# KiCad board driver.kicad_pcb (continued)
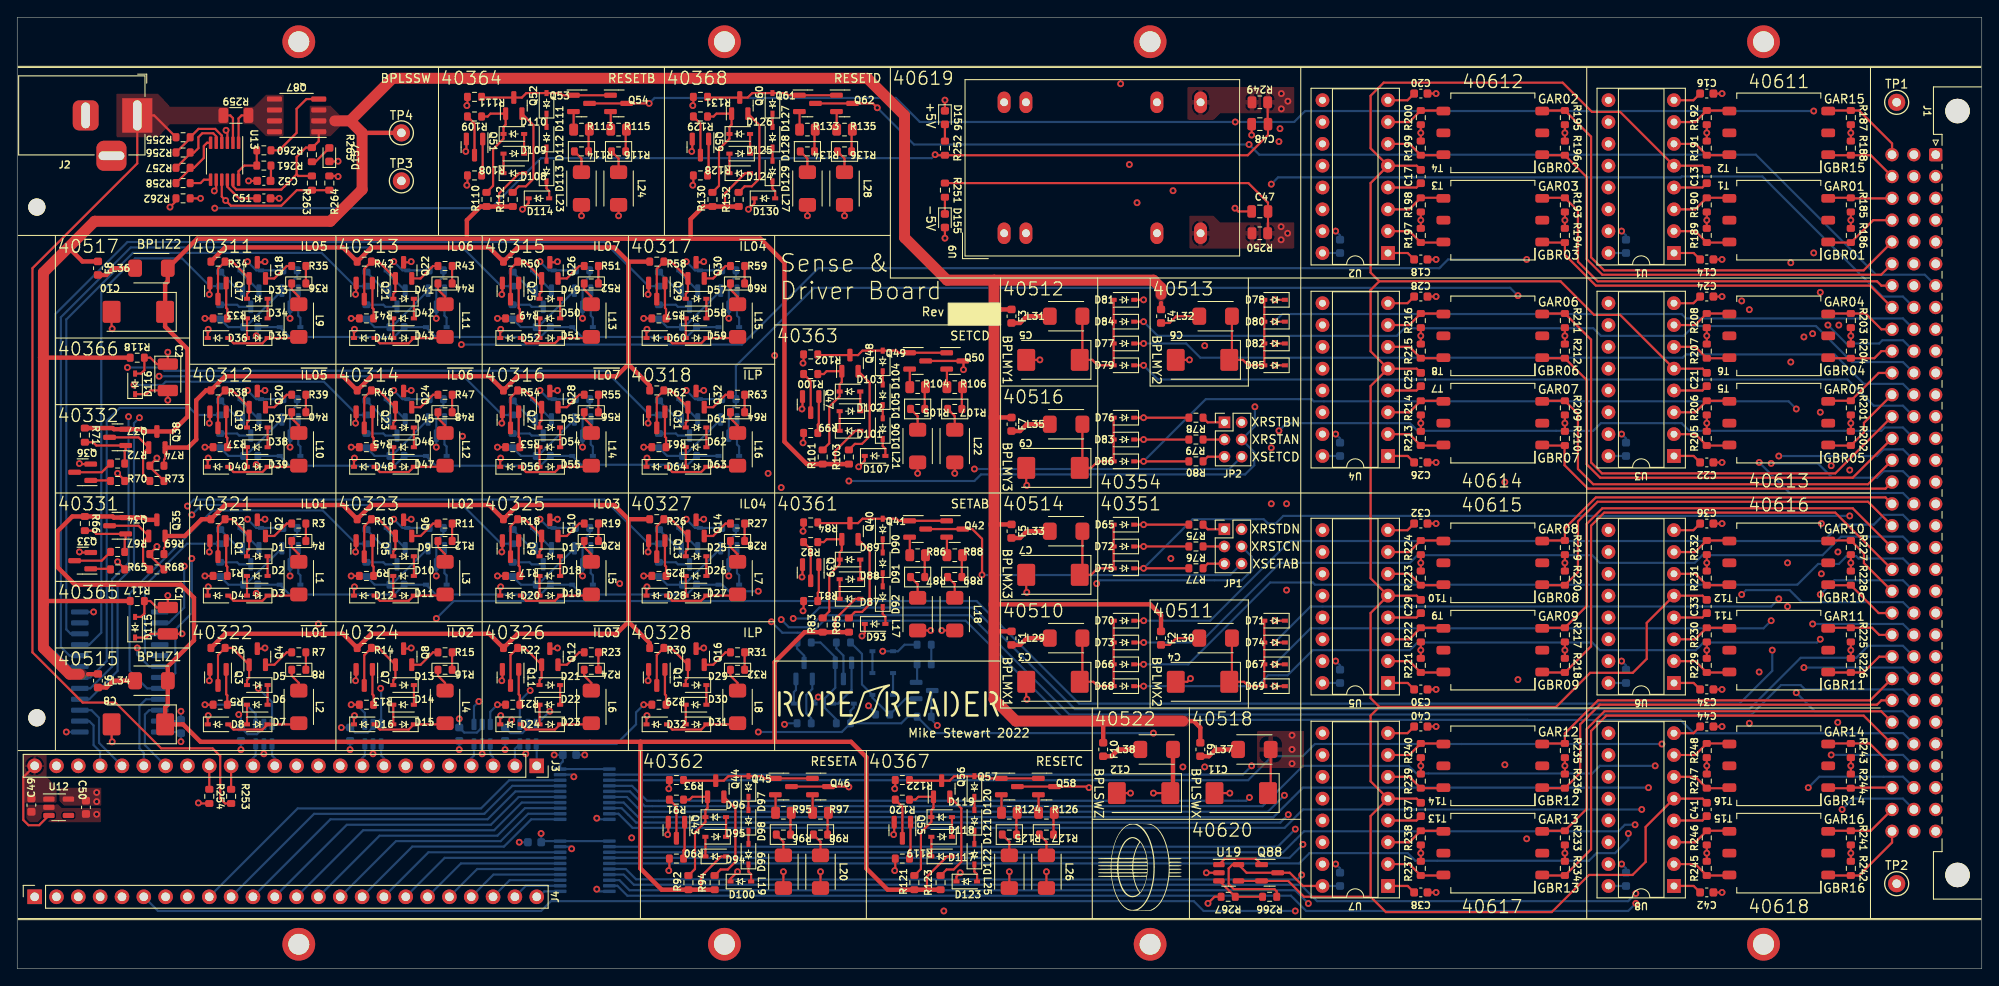
[diagram p0: board, top side]
## Routing (per net, layer and track width the routed paths; a pad name or vN(x,y) marks a point on that pad's centre or on a via; arc(x,y) is an arc through that point) (continued)
Net-(R135-Pad2): length 2.6
  Top w0.254: R136.1 97.09,97.58 R135.2
Net-(R189-Pad1): length 7
  Top w0.254: T1.4 199.16,84.52 R189.1 195.27,85.84 U1.2
Net-(R190-Pad2): length 7
  Top w0.254: T1.6 199.16,89.73 R190.2 195.25,88.38 U1.3
Net-(R191-Pad1): length 7
  Top w0.254: T2.4 199.16,94.68 R191.1 195.27,96 U1.6
Net-(R192-Pad2): length 7
  Top w0.254: U1.7 195.25,98.54 R192.2 199.16,99.89 T2.6
Net-(R197-Pad1): length 7
  Top w0.254: T3.4 165.89,84.52 R197.1 162,85.84 U2.2
Net-(R198-Pad2): length 7
  Top w0.254: U2.3 161.98,88.38 R198.2 165.89,89.73 T3.6
Net-(R199-Pad1): length 7
  Top w0.254: T4.4 165.89,94.68 R199.1 162,96 U2.6
Net-(R200-Pad2): length 7
  Top w0.254: T4.6 165.89,99.89 R200.2 161.98,98.54 U2.7
Net-(R205-Pad1): length 7
  Top w0.254: U3.2 195.27,62.22 R205.1 199.16,60.9 T5.4
Net-(R206-Pad2): length 7
  Top w0.254: T5.6 199.16,66.1 R206.2 195.25,64.76 U3.3
Net-(R207-Pad1): length 7
  Top w0.254: U3.6 195.27,72.38 R207.1 199.16,71.06 T6.4
Net-(R208-Pad2): length 7
  Top w0.254: T6.6 199.16,76.26 R208.2 195.25,74.92 U3.7
Net-(R213-Pad1): length 7
  Top w0.254: U4.2 162,62.22 R213.1 165.89,60.9 T7.4
Net-(R214-Pad2): length 7
  Top w0.254: U4.3 161.98,64.76 R214.2 165.89,66.1 T7.6
Net-(R215-Pad1): length 7
  Top w0.254: U4.6 162,72.38 R215.1 165.89,71.06 T8.4
Net-(R216-Pad2): length 7
  Top w0.254: T8.6 165.89,76.26 R216.2 161.98,74.92 U4.7
Net-(R221-Pad1): length 7
  Top w0.254: T9.4 165.89,34.48 R221.1 162,35.8 U5.2
Net-(R222-Pad2): length 7
  Top w0.254: T9.6 165.89,39.69 R222.2 161.98,38.34 U5.3
Net-(R223-Pad1): length 7
  Top w0.254: T10.4 165.89,44.64 R223.1 162,45.96 U5.6
Net-(R224-Pad2): length 7
  Top w0.254: T10.6 165.89,49.85 R224.2 161.98,48.5 U5.7
Net-(R229-Pad1): length 7
  Top w0.254: U6.2 195.27,35.8 R229.1 199.16,34.48 T11.4
Net-(R230-Pad2): length 7
  Top w0.254: T11.6 199.16,39.69 R230.2 195.25,38.34 U6.3
Net-(R231-Pad1): length 7
  Top w0.254: T12.4 199.16,44.64 R231.1 195.27,45.96 U6.6
Net-(R232-Pad2): length 7
  Top w0.254: T12.6 199.16,49.85 R232.2 195.25,48.5 U6.7
Net-(R237-Pad1): length 7
  Top w0.254: U7.2 162,12.18 R237.1 165.89,10.86 T13.4
Net-(R238-Pad2): length 7
  Top w0.254: U7.3 161.98,14.72 R238.2 165.89,16.07 T13.6
Net-(R239-Pad1): length 7
  Top w0.254: U7.6 162,22.34 R239.1 165.89,21.02 T14.4
Net-(R240-Pad2): length 7
  Top w0.254: T14.6 165.89,26.23 R240.2 161.98,24.88 U7.7
Net-(R245-Pad1): length 7
  Top w0.254: U8.2 195.27,12.18 R245.1 199.16,10.86 T15.4
Net-(R246-Pad2): length 7
  Top w0.254: T15.6 199.16,16.07 R246.2 195.25,14.72 U8.3
Net-(R247-Pad1): length 7
  Top w0.254: T16.4 199.16,21.02 R247.1 195.27,22.34 U8.6
Net-(R248-Pad2): length 7
  Top w0.254: T16.6 199.16,26.23 R248.2 195.25,24.88 U8.7
Net-(R255-Pad1): length 7.7
  Top w0.254: R256.2 20.13,96.65 R255.1 21.1,97.74 23.03,97.74 23.8,96.97 U13.4
Net-(R256-Pad1): length 8.1
  Top w0.254: U13.5 23.16,96.88 22.8,97.24 21.54,97.24 21.08,96.77 21.08,95.5 20.57,95 R256.1 20.13,94.87 R257.2
Net-(R257-Pad1): length 6.9
  Top w0.254: U13.6 22.09,96.13 21.72,95.76 21.72,94.36 20.57,93.22 R257.1 20.13,93.09 R258.2
Net-(R258-Pad1): length 2.5
  Top w0.254: U13.7 21.73,91.83 21.34,91.44 R258.1
Net-(R260-Pad2): length 5.2
  Top w0.254: U13.12 25.76,92.81 26.42,93.47 R261.2 R260.2
Net-(R266-Pad2): length 5.8
  Top w0.254: R266.2 R267.1 139.89,10.23 U19.3
Net-(R274-Pad2): length 2.3
  Bottom w0.254: R275.1 R274.2

## Copper pours and planes (outline as drawn; the poured copper is in the pictures)
+3.3V on Top: 9.78,19 5.46,19 4.9,19.56 4.9,21.08 9.78,21.08
+3.3V on In4.Cu: 70.23,6.99 0.25,6.99 0.25,30.23 70.23,30.23
+5V on Top: 148.59,99.57 145.29,99.57 145.29,102.62 148.59,102.62
+5V on In4.Cu: 188.98,5.72 183.26,5.72 183.26,100.58 166.5,100.58 166.5,5.72 150.24,5.72 150.24,99.57 146.56,99.57 146.56,103.25 155.7,103.25 155.7,25.53 161.54,25.53 161.54,103.38 188.98,103.38
+14V on Top: 136.53,29.08 136.53,28.58 136.14,28.19 135.64,28.19 135.64,29.46 136.14,29.46
+14V on Top: 37.59,98.04 36.45,96.9 34.04,96.9 34.04,100.46 36.45,100.46 37.59,99.31
+14V on Top: 133.73,78.11 133.35,77.72 133.35,77.47 132.84,77.47 132.84,77.72 132.46,78.11 132.46,78.49 133.73,78.49
+14V on Top: 8.13,34.54 8.38,34.54 8.38,34.04 8.13,34.04 7.75,33.66 7.24,33.66 7.24,34.93 7.75,34.93
-5V on Top: 148.59,83.82 145.29,83.82 145.29,86.87 148.59,86.87
-5V on In4.Cu: 194.31,25.52 188.98,25.53 188.98,103.38 161.54,103.38 161.54,25.53 155.7,25.53 155.7,103.25 150.24,103.25 150.24,84.08 142.88,84.07 142.86,105.79 194.31,105.79
/FPGA and Power/5V_FPGA on Top: 3.43,22.35 4.57,21.08 4.57,19.35 0.64,19.35 0.64,25.02 3.43,25.02
/FPGA and Power/14V_IN on Top: 16.38,101.85 17.78,100.33 24.64,100.33 24.64,98.3 17.78,98.3 16.38,96.77 11.56,96.77 11.56,101.85
/FPGA and Power/14V_IN on In4.Cu: 119,98.81 112.9,98.81 112.9,102.11 17.15,102.11 17.15,96.01 10.92,96.01 10.92,104.77 119,104.9
/FPGA and Power/14V_SENSE on Top: 30.99,96.9 28.96,96.9 27.56,98.3 26.29,98.3 26.29,100.33 27.56,100.33 28.96,101.73 30.99,101.73
/FPGA and Power/+5V_REG on Top: 144.76,99.57 139.98,99.57 139.22,98.81 136.17,98.81 136.17,102.62 144.76,102.62
/FPGA and Power/-5V_REG on Top: 139.95,86.87 144.73,86.87 144.73,83.82 136.4,83.82 136.4,87.63 139.19,87.63
GND on Top: 5.21,18.69 9.75,18.69 9.75,17.07 0.61,17.07 0.61,19.15 4.72,19.15
GND on In1.Cu, In2.Cu, In3.Cu: 228.35,0.25 0.25,0.25 0.25,110.49 228.35,110.49
GND on In4.Cu: 228.35,0.25 0.25,0.25 0.25,110.49 228.35,110.49
/Rope Drivers/40365A on In4.Cu: 112.9,6.86 62.23,6.86 62.23,25.02 0.25,25.02 0.25,55.37 112.9,55.37
/Rope Drivers/40366A on In4.Cu: 112.9,55.37 0.25,55.37 0.25,87.63 41.66,87.63 41.66,104.14 112.9,104.14
/Sense Amplifiers/BPLSWX on Top: 149.73,23.37 144.27,23.37 144.27,27.69 149.73,27.69
/Sense Amplifiers/BPLSWX on In4.Cu: 215.65,0.25 142.88,0.25 142.88,100.58 215.65,100.58

## Text on the board
B.Silkscreen: STR01 | STR05 | STR09 | STR02 | STR06 | STR10 | STR03 | STR07 | STR11 | STR04 | STR08 | STR12 | MODR1 | 40603A | 40602A | 40601A | 40603B | 40602B | 40601B | 40603C | 40602C | 40601C | 40603D | 40602D | 40601D | 40361
F.Silkscreen: BPLIZ2 | BPLIZ1 | IL05 | ~{IL05} | IL01 | ~{IL01} | BPLSSW | IL06 | ~{IL06} | IL02 | ~{IL02} | IL07 | ~{IL07} | IL03 | ~{IL03} | RESETB | ~{IL04} | ~{ILP} | IL04 | ILP | RESETA | RESETD | Rev | Mike Stewart 2022 | SETCD | SETAB | RESETC | XRSTBN | XRSTAN | XSETCD | XRSTDN | XRSTCN | XSETAB | GAR13 | GAR02 | GAR03 | GAR06 | GAR07 | GAR08 | GAR09 | GAR12 | GBR13 | GBR02 | GBR03 | GBR06 | GBR07 | GBR08 | GBR09 | GBR12 | GAR04 | GAR16 | GAR15 | GAR01 | GBR04 | GAR05 | GAR10 | GAR11 | GAR14 | GBR16 | GBR15 | GBR01 | GBR05 | GBR10 | GBR11 | GBR14 | +5V | -5V | BPLMY1 | BPLMY3 | BPLMX3 | BPLMX1 | BPLSWZ | BPLMY2 | BPLMX2 | BPLSWX | 40517 | 40366 | 40332 | 40331 | 40365 | 40515 | 40311 | 40312 | 40321 | 40322 | 40313 | 40314 | 40323 | 40324 | 40364 | 40315 | 40316 | 40325 | 40326 | 40317 | 40318 | 40327 | 40328 | 40362 | 40368 | 40363 | 40361 | 40367 | 40619 | 40512 | 40516 | 40514 | 40510 | 40522 | 40354 | 40351 | 40513 | 40511 | 40518 | 40620 | 40614 | 40615 | 40617 | 40612 | 40611 | 40613 | 40616 | 40618 | Sense & / Driver Board
